# KiCad board lpddr5-sodimm.kicad_pcb
title: LPDDR5 SO-DIMM; date: 2023-12-19; rev: 1.0.0
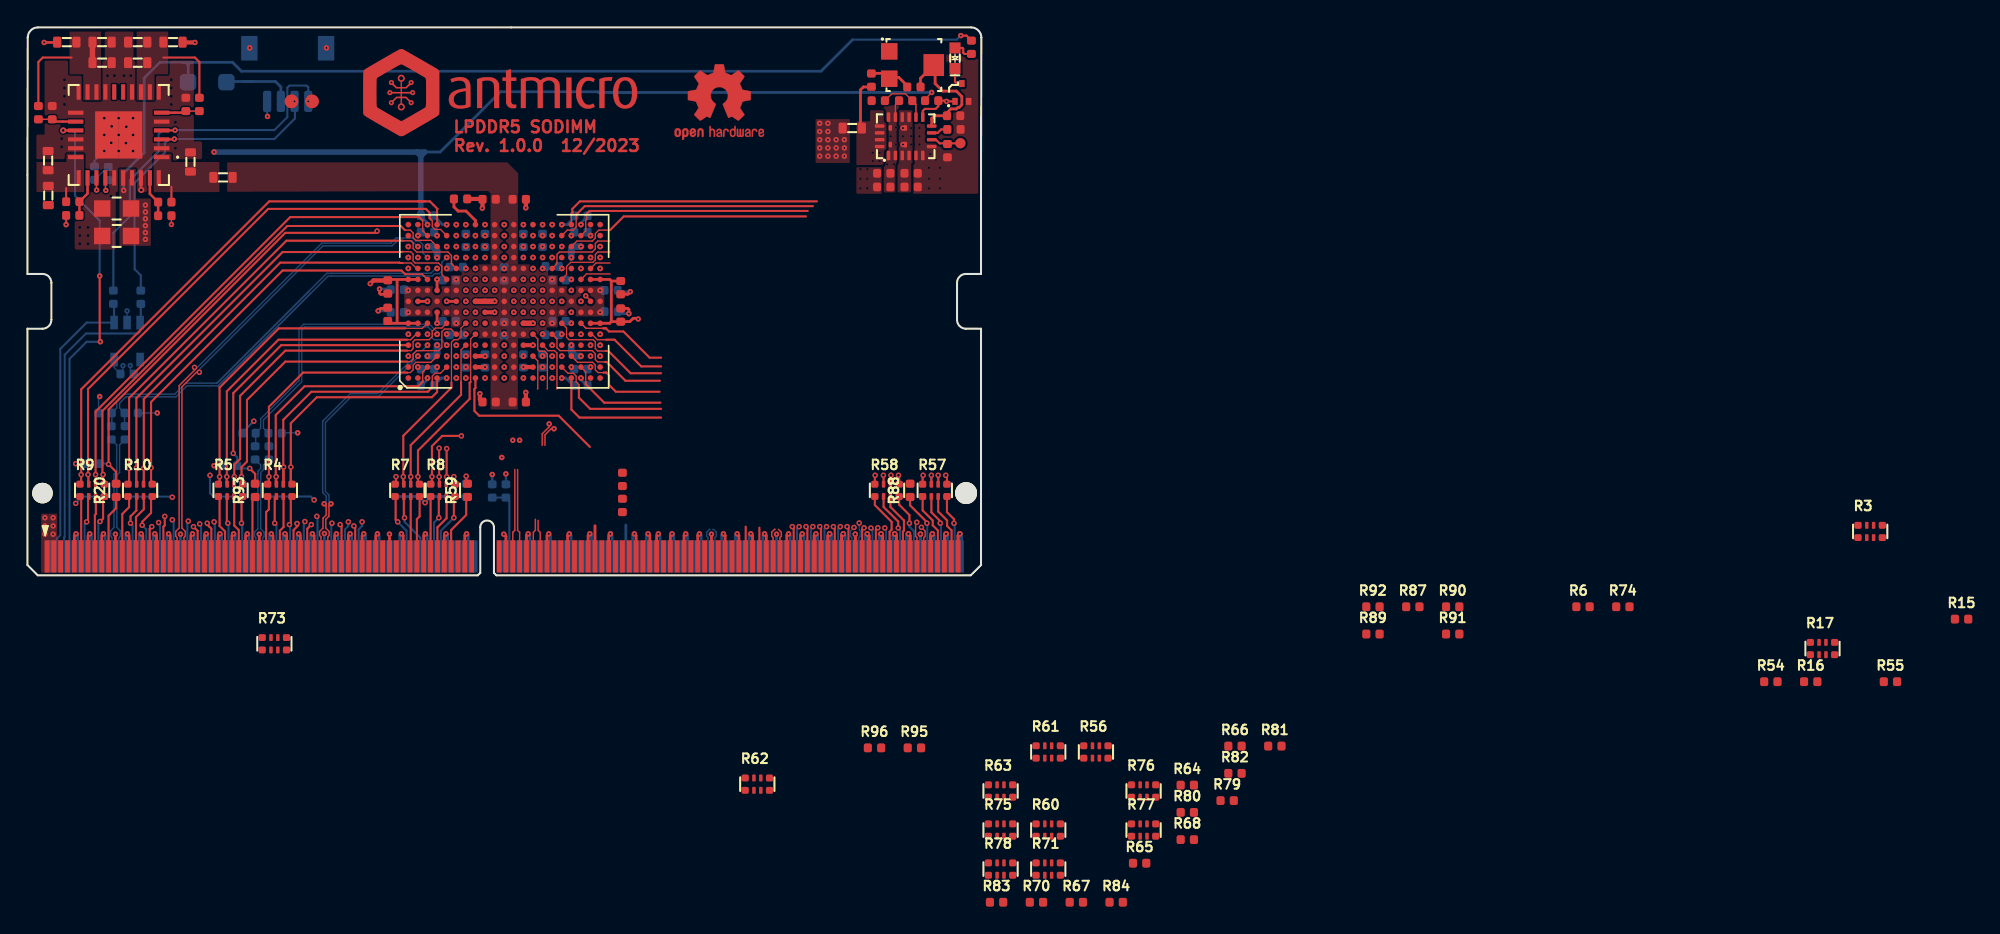
[diagram p0: board, top side]
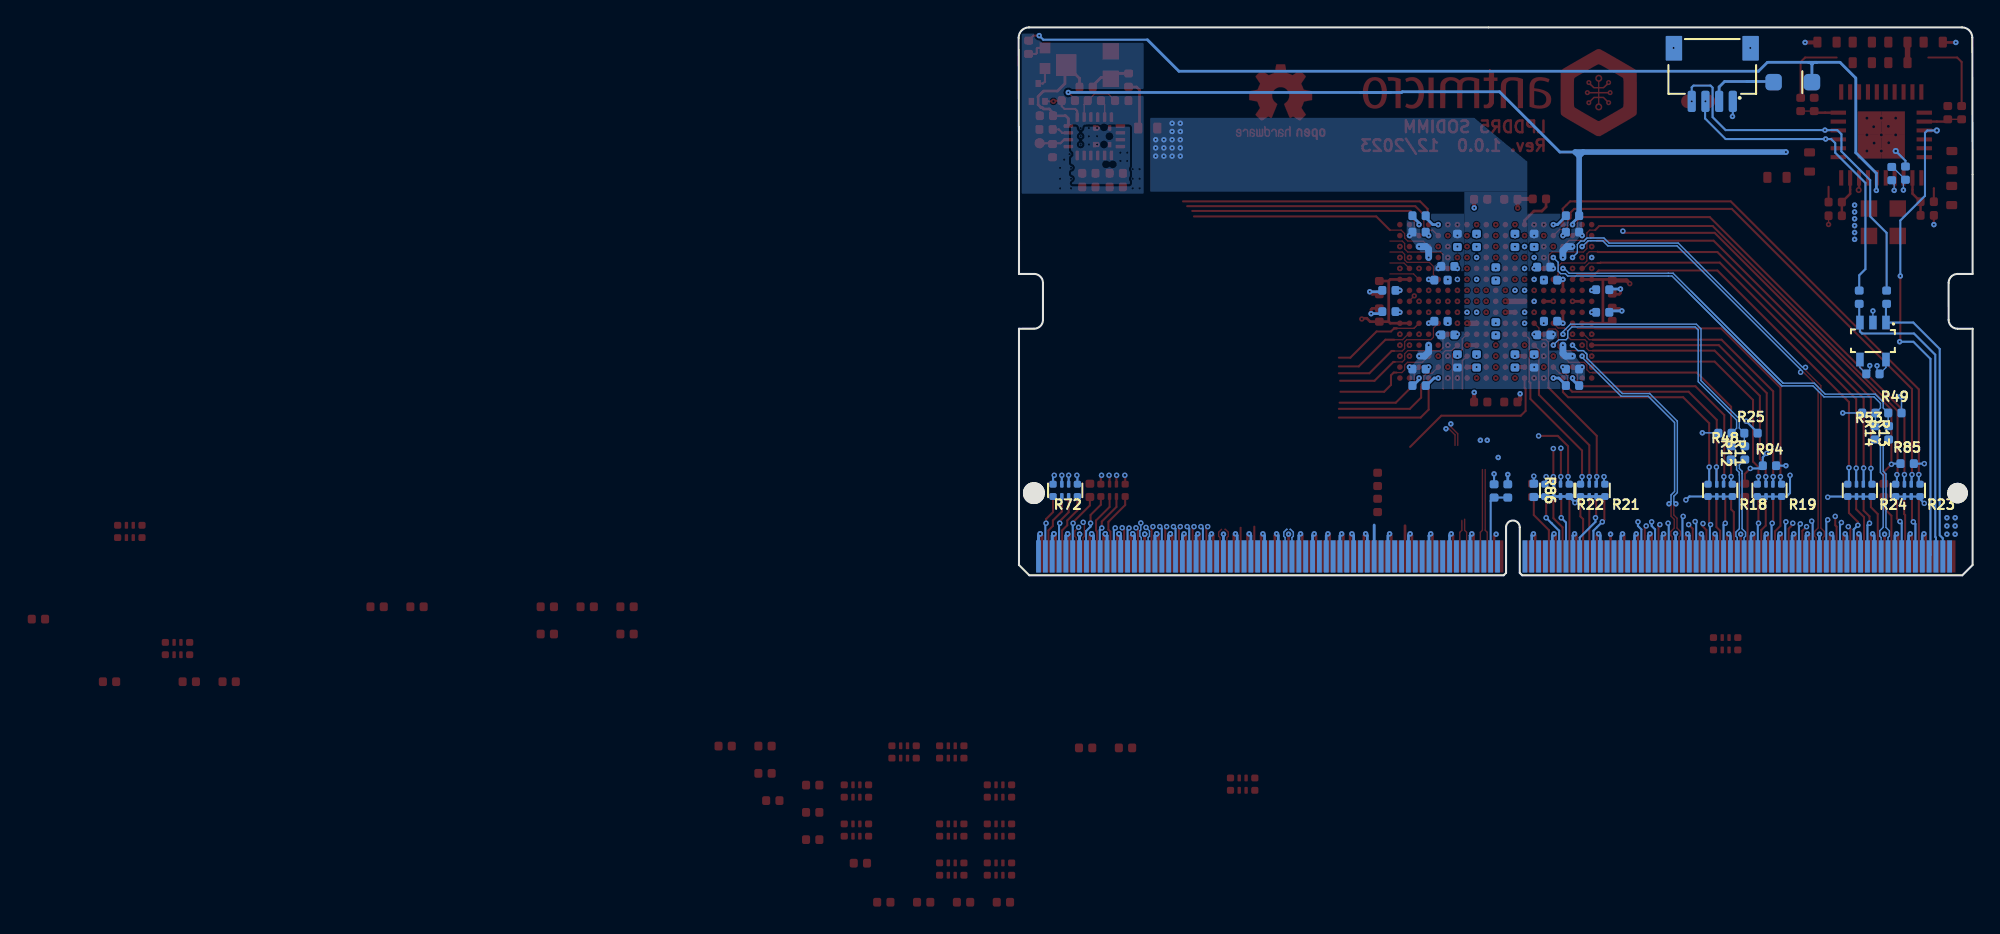
[diagram p1: board, bottom side, seen from below]

Outline 69.62 x 40 mm; copper layers: Top, In1.Cu (plane), In2.Cu (plane), In3.Cu, In4.Cu, Bottom. Coordinates in mm from the lower left corner of the outline.
Outline path: 0,29.25 0.02,39.25 arc(0.24,39.78) 0.77,40 68.88,40 arc(69.4,39.78) 69.62,39.25 69.6,29.25
Stack: Top 0.035mm / dielectric 0.1mm FR4 er 4.5 / In1.Cu 0.018mm / dielectric 0.42mm PR2116 er 4.5 / In2.Cu 0.018mm / dielectric 0.1mm FR4 er 4.5 / In3.Cu 0.018mm / dielectric 0.42mm PR2116 er 4.5 / In4.Cu 0.018mm / dielectric 0.1mm FR4 er 4.5 / Bottom 0.035mm

## Placement (name value [footprint] x y rotation side)
C7  C_4u7_0402  [C_0402_1005Metric]  7.28 14.7 0 bottom
C8  C_4u7_0402  [C_0402_1005Metric]  62.5 29.35 0 top
C9  C_4u7_0402  [C_0402_1005Metric]  62.5 28.35 0 top
C10  C_22u_25V_0805  [C_0805_2012Metric]  6.51 26.78 0 top
C11  C_22u_25V_0805  [C_0805_2012Metric]  6.51 24.78 0 top
C12  C_1u_0402  [C_0402_1005Metric]  4.9 29.36 270 bottom
C13  C_10n_0402  [C_0402_1005Metric]  67.62 32.55 180 top
C14  C_22u_0603  [C_0603_1608Metric]  5.45 38.92 180 top
C15  C_22u_0603  [C_0603_1608Metric]  8.05 38.92 0 top
C16  C_22u_0603  [C_0603_1608Metric]  5.45 37.42 180 top
C17  C_22u_0603  [C_0603_1608Metric]  8.05 37.42 0 top
C18  C_22u_0603  [C_0603_1608Metric]  11.9 30.17 270 top
C19  C_22u_0603  [C_0603_1608Metric]  1.51 30.28 270 top
C20  C_4u7_0402  [C_0402_1005Metric]  64.5 29.35 180 top
C21  C_4u7_0402  [C_0402_1005Metric]  64.5 28.35 180 top
C35  C_4u7_0402  [C_0402_1005Metric]  29.2 13.85 180 bottom
C36  C_4u7_0402  [C_0402_1005Metric]  38.3 22.55 0 bottom
C37  C_4u7_0402  [C_0402_1005Metric]  37.6 15.65 270 bottom
C38  C_4u7_0402  [C_0402_1005Metric]  29.2 26.25 180 bottom
C39  C_4u7_0402  [C_0402_1005Metric]  29.2 15.05 180 bottom
C40  C_4u7_0402  [C_0402_1005Metric]  29.2 25.05 180 bottom
C41  C_4u7_0402  [C_0402_1005Metric]  40.4 26.25 0 bottom
C42  C_4u7_0402  [C_0402_1005Metric]  31.3 22.5 180 bottom
C43  C_4u7_0402  [C_0402_1005Metric]  40.4 15.05 0 bottom
C44  C_4u7_0402  [C_0402_1005Metric]  40.4 13.85 0 bottom
C45  C_4u7_0402  [C_0402_1005Metric]  37.6 24.45 90 bottom
C46  C_4u7_0402  [C_0402_1005Metric]  31.3 17.55 180 bottom
C47  C_4u7_0402  [C_0402_1005Metric]  32 24.45 90 bottom
C48  C_4u7_0402  [C_0402_1005Metric]  38.3 17.55 0 bottom
C49  C_4u7_0402  [C_0402_1005Metric]  40.4 25.05 0 bottom
C50  C_4u7_0402  [C_0402_1005Metric]  32 15.65 270 bottom
C51  C_4u7_0402  [C_0402_1005Metric]  33.4 15.65 270 bottom
C52  C_4u7_0402  [C_0402_1005Metric]  36.2 15.65 270 bottom
C53  C_4u7_0402  [C_0402_1005Metric]  27 20.85 0 bottom
C54  C_4u7_0402  [C_0402_1005Metric]  30.8 21.55 0 bottom
C55  C_4u7_0402  [C_0402_1005Metric]  33.4 24.45 90 bottom
C56  C_4u7_0402  [C_0402_1005Metric]  43.3 19 270 top
C57  C_4u7_0402  [C_0402_1005Metric]  30.8 18.55 0 bottom
C58  C_4u7_0402  [C_0402_1005Metric]  33.7 12.65 0 top
C59  C_4u7_0402  [C_0402_1005Metric]  26.3 19.05 270 top
C60  C_4u7_0402  [C_0402_1005Metric]  43.3 21 90 top
C61  C_4u7_0402  [C_0402_1005Metric]  42.6 19.25 180 bottom
C62  C_4u7_0402  [C_0402_1005Metric]  33.7 27.45 0 top
C63  C_4u7_0402  [C_0402_1005Metric]  26.3 21.05 90 top
C64  C_4u7_0402  [C_0402_1005Metric]  36.2 24.45 90 bottom
C65  C_4u7_0402  [C_0402_1005Metric]  35.9 27.45 180 top
C66  C_4u7_0402  [C_0402_1005Metric]  38.8 21.55 180 bottom
C67  C_4u7_0402  [C_0402_1005Metric]  35.9 12.65 180 top
C68  C_4u7_0402  [C_0402_1005Metric]  34.8 22 270 bottom
C69  C_4u7_0402  [C_0402_1005Metric]  38.8 18.55 180 bottom
C70  C_4u7_0402  [C_0402_1005Metric]  34.8 18 90 bottom
C76  C_4u7_0402  [C_0402_1005Metric]  27 19.2 0 bottom
C77  C_4u7_0402  [C_0402_1005Metric]  42.6 20.8 180 bottom
D1  PTVS48VS1UR  [D_SOD-123F]  13.12 36 0 bottom
D2  LED_G_0603_KP-1608CGCK  [LED_0603_1608Metric_G]  67.7 37.75 270 top
J1  Edge_Conn_Bus_DDR5_SODIMM_1xDetectPin  [Edge_Conn_Bus_DDR5_SODIMM]  0 0 0 top
J3  JST_SH_1x4_SM04B-SRSS-TB-LF-SN  [Conn_JST_SH_1x4_SM04B-SRSS-TB-LF-SN]  19 37.05 0 bottom
POT1  TC33X-2-203E  [Trimpot_3.8mmx3.6mm_TC33X-2-103E]  64.6 37.25 270 top
Q2  DMG1012T-7  [SOT-523]  68.2 35.25 0 top
R1  R_100R_0402  [R_0402_1005Metric]  43.43 5.1 90 top
R2  R_100R_0402  [R_0402_1005Metric]  43.43 7 270 top
R3  R_4x100R_0402_array  [R_Array_4x0402_Panasonic_EXB28V]  134.5 3.2 0 top
R4  R_4x100R_0402_array  [R_Array_4x0402_Panasonic_EXB28V]  18.43 6.2 0 top
R5  R_4x100R_0402_array  [R_Array_4x0402_Panasonic_EXB28V]  14.83 6.2 0 top
R6  R_100R_0402  [R_0402_1005Metric]  113.53 -2.3 0 top
R7  R_4x100R_0402_array  [R_Array_4x0402_Panasonic_EXB28V]  27.73 6.2 0 top
R8  R_4x100R_0402_array  [R_Array_4x0402_Panasonic_EXB28V]  30.33 6.2 0 top
R9  R_4x100R_0402_array  [R_Array_4x0402_Panasonic_EXB28V]  4.73 6.2 0 top
R10  R_4x100R_0402_array  [R_Array_4x0402_Panasonic_EXB28V]  8.23 6.2 0 top
R11  R_100R_0402  [R_0402_1005Metric]  16.62 8.94 90 bottom
R12  R_100R_0402  [R_0402_1005Metric]  17.62 8.94 90 bottom
R13  R_100R_0402  [R_0402_1005Metric]  6.12 10.4 90 bottom
R14  R_100R_0402  [R_0402_1005Metric]  7.12 10.4 90 bottom
R15  R_100R_0402  [R_0402_1005Metric]  141.16 -3.2 0 top
R16  R_100R_0402  [R_0402_1005Metric]  130.16 -7.77 0 top
R17  R_4x100R_0402_array  [R_Array_4x0402_Panasonic_EXB28V]  131.02 -5.35 0 top
R18  R_4x100R_0402_array  [R_Array_4x0402_Panasonic_EXB28V]  18.43 6.2 0 bottom
R19  R_4x100R_0402_array  [R_Array_4x0402_Panasonic_EXB28V]  14.83 6.2 0 bottom
R20  R_100R_0402  [R_0402_1005Metric]  6.48 6.2 90 top
R21  R_4x100R_0402_array  [R_Array_4x0402_Panasonic_EXB28V]  27.73 6.2 0 bottom
R22  R_4x100R_0402_array  [R_Array_4x0402_Panasonic_EXB28V]  30.33 6.2 0 bottom
R23  R_4x100R_0402_array  [R_Array_4x0402_Panasonic_EXB28V]  4.73 6.2 0 bottom
R24  R_4x100R_0402_array  [R_Array_4x0402_Panasonic_EXB28V]  8.23 6.2 0 bottom
R25  R_100R_0402  [R_0402_1005Metric]  16.18 10.38 180 bottom
R26  R_0R_0402  [R_0402_1005Metric]  6.28 20.3 90 bottom
R27  R_0R_0402  [R_0402_1005Metric]  8.28 20.3 90 bottom
R28  R_200k_0402  [R_0402_1005Metric]  34.93 6.16 270 bottom
R29  R_0R_0402  [R_0402_1005Metric]  62.1 34.65 0 top
R30  R_100k_0402  [R_0402_1005Metric]  5.9 29.33 270 bottom
R31  R_25k5_0402  [R_0402_1005Metric]  64.1 34.65 180 top
R32  R_25k5_0402  [R_0402_1005Metric]  67.15 31 90 top
R33  R_100k_0402  [R_0402_1005Metric]  0.8 33.78 90 top
R34  R_49k9_0402  [R_0402_1005Metric]  1.81 33.78 90 top
R35  R_100k_0402  [R_0402_1005Metric]  12.55 34.38 90 top
R36  R_200k_0402  [R_0402_1005Metric]  11.56 34.38 90 top
R37  R_100k_0402  [R_0402_1005Metric]  10.03 27.25 0 top
R38  R_130k_0402  [R_0402_1005Metric]  10.03 26.25 0 top
R39  R_100k_0402  [R_0402_1005Metric]  3.31 27.28 180 top
R40  R_120k_0402  [R_0402_1005Metric]  3.31 26.28 180 top
R41  R_25k5_0402  [R_0402_1005Metric]  66 34.65 180 top
R42  R_1k_0402  [R_0402_1005Metric]  68.9 38.55 270 top
R43  R_0R_22.4A_0603  [R_0603_1608Metric]  2.88 38.92 0 top
R44  R_0R_22.4A_0603  [R_0603_1608Metric]  10.62 38.92 180 top
R45  R_0R_22.4A_0603  [R_0603_1608Metric]  14.28 29.05 180 top
R46  R_0R_22.4A_0603  [R_0603_1608Metric]  1.53 27.72 90 top
R47  R_0R_0402  [R_0402_1005Metric]  64.7 35.65 180 top
R48  R_100R_0402  [R_0402_1005Metric]  18.08 10.38 0 bottom
R49  R_100R_0402  [R_0402_1005Metric]  5.68 11.85 180 bottom
R50  R_3k9_0402  [R_0402_1005Metric]  67.6 33.55 180 top
R51  R_3k9_0402  [R_0402_1005Metric]  61.6 36.15 270 top
R52  R_0R_22.4A_0603  [R_0603_1608Metric]  60.2 32.65 0 top
R53  R_100R_0402  [R_0402_1005Metric]  7.58 11.85 0 bottom
R54  R_100R_0402  [R_0402_1005Metric]  127.25 -7.77 0 top
R55  R_100R_0402  [R_0402_1005Metric]  135.97 -7.77 0 top
R56  R_4x100R_0402_array  [R_Array_4x0402_Panasonic_EXB28V]  77.99 -12.9 0 top
R57  R_4x100R_0402_array  [R_Array_4x0402_Panasonic_EXB28V]  66.22 6.2 0 top
R58  R_4x100R_0402_array  [R_Array_4x0402_Panasonic_EXB28V]  62.74 6.2 0 top
R59  R_100R_0402  [R_0402_1005Metric]  32.12 6.2 90 top
R60  R_4x100R_0402_array  [R_Array_4x0402_Panasonic_EXB28V]  74.5 -18.6 0 top
R61  R_4x100R_0402_array  [R_Array_4x0402_Panasonic_EXB28V]  74.5 -12.9 0 top
R62  R_4x100R_0402_array  [R_Array_4x0402_Panasonic_EXB28V]  53.28 -15.25 0 top
R63  R_4x100R_0402_array  [R_Array_4x0402_Panasonic_EXB28V]  71.03 -15.75 0 top
R64  R_100R_0402  [R_0402_1005Metric]  84.66 -15.32 0 top
R65  R_100R_0402  [R_0402_1005Metric]  81.18 -21.02 0 top
R66  R_100R_0402  [R_0402_1005Metric]  88.14 -12.47 0 top
R67  R_100R_0402  [R_0402_1005Metric]  76.56 -23.87 0 top
R68  R_100R_0402  [R_0402_1005Metric]  84.66 -19.3 0 top
R69  R_240R_0402  [R_0402_1005Metric]  31.62 27.47 180 top
R70  R_100R_0402  [R_0402_1005Metric]  73.65 -23.87 0 top
R71  R_4x100R_0402_array  [R_Array_4x0402_Panasonic_EXB28V]  74.5 -21.45 0 top
R72  R_4x100R_0402_array  [R_Array_4x0402_Panasonic_EXB28V]  66.22 6.2 0 bottom
R73  R_4x100R_0402_array  [R_Array_4x0402_Panasonic_EXB28V]  18.03 -5 0 top
R74  R_100R_0402  [R_0402_1005Metric]  116.44 -2.3 0 top
R75  R_4x100R_0402_array  [R_Array_4x0402_Panasonic_EXB28V]  71.03 -18.6 0 top
R76  R_4x100R_0402_array  [R_Array_4x0402_Panasonic_EXB28V]  81.47 -15.75 0 top
R77  R_4x100R_0402_array  [R_Array_4x0402_Panasonic_EXB28V]  81.47 -18.6 0 top
R78  R_4x100R_0402_array  [R_Array_4x0402_Panasonic_EXB28V]  71.03 -21.45 0 top
R79  R_100R_0402  [R_0402_1005Metric]  87.56 -16.45 0 top
R80  R_100R_0402  [R_0402_1005Metric]  84.66 -17.31 0 top
R81  R_100R_0402  [R_0402_1005Metric]  91.05 -12.47 0 top
R82  R_100R_0402  [R_0402_1005Metric]  88.14 -14.46 0 top
R83  R_100R_0402  [R_0402_1005Metric]  70.74 -23.87 0 top
R84  R_100R_0402  [R_0402_1005Metric]  79.47 -23.87 0 top
R85  R_100R_0402  [R_0402_1005Metric]  4.78 8.15 180 bottom
R86  R_100R_0402  [R_0402_1005Metric]  32.03 6.2 270 bottom
R87  R_100R_0402  [R_0402_1005Metric]  101.12 -2.3 0 top
R88  R_100R_0402  [R_0402_1005Metric]  64.43 6.2 90 top
R89  R_100R_0402  [R_0402_1005Metric]  98.21 -4.29 0 top
R90  R_100R_0402  [R_0402_1005Metric]  104.03 -2.3 0 top
R91  R_100R_0402  [R_0402_1005Metric]  104.03 -4.29 0 top
R92  R_100R_0402  [R_0402_1005Metric]  98.21 -2.3 0 top
R93  R_100R_0402  [R_0402_1005Metric]  16.62 6.2 90 top
R94  R_100R_0402  [R_0402_1005Metric]  14.83 8 180 bottom
R95  R_100R_0402  [R_0402_1005Metric]  64.74 -12.6 0 top
R96  R_100R_0402  [R_0402_1005Metric]  61.83 -12.6 0 top
R99  R_100k_0402  [R_0402_1005Metric]  33.93 6.16 90 bottom
REF**  -  [antmicro-logo_scaled_20mm]  34.5 35.05 0 top
REF**#2  antmicro-logo_scaled_20mm  [antmicro-logo_scaled_20mm_mask]  34.5 35.05 0 top
REF**#3  -  [OSHW-Logo2_7.3x6mm_Copper_Mask]  50.5 34.55 0 top
TP1  TP_0.75mm_SMD  [TP_SMD_0.75mm]  68.09 31.54 90 top
TP2  TP_1mm_SMD  [TP_SMD_1mm]  19.28 34.6 90 top
TP3  TP_1mm_SMD  [TP_SMD_1mm]  20.78 34.6 90 top
U1  MT62F1G32D4DR-031  [BGA-315_12.4x15mm_Layout15x21_P0.8x0.7mm]  34.8 20 90 top
U7  AT24CS01_SOT23  [SOT-23-5]  7.28 17.1 270 bottom
U8  MPM54304GMN-0001  [MPS_LGA-33]  6.66 32.15 180 top
U9  LT3033EUDC_QFN  [QFN-20-4EP_3x4x0.75mm_P0.5mm_Layout4x6_LT3033]  64.1 32.05 90 top

## Library data of the parts
C7 C9 C42 C64 C67 C70 = -: Author: Antmicro; License: Apache-2.0; MPN: GRM155R61A475MEAAD; Manufacturer: Murata; Val: 4u7; Field11: License: Apache-2.0; Field13: Author: Antmicro
C8 C20 C43 C45 C47-C49 C57 C59 C60 C65 = -: Author: Antmicro; License: Apache-2.0; MPN: GRM155R61A475MEAAD; Manufacturer: Murata; Val: 4u7; Field11: Author: Antmicro; Field13: License: Apache-2.0
C10 = -: Author: Antmicro; License: Apache-2.0; MPN: CL21A226MAYNNNE; Manufacturer: Samsung Electro-Mechanics; Val: 22u_25V; Field11: License: Apache-2.0; Field13: Author: Antmicro
C11 = -: Author: Antmicro; License: Apache-2.0; MPN: CL21A226MAYNNNE; Manufacturer: Samsung Electro-Mechanics; Val: 22u_25V; Field11: Author: Antmicro; Field12: License: Apache-2.0
C12 = -: Author: Antmicro; License: Apache-2.0; MPN: C1005X6S1A105K050BC; Manufacturer: TDK; Val: 1u; Field11: Author: Antmicro; Field13: License: Apache-2.0
C13 = -: Author: Antmicro; Dielectric: X7R; License: Apache-2.0; MPN: GRM155R71H103KA88D; Manufacturer: Murata; Val: 10n; Voltage: 50V; Field12: License: Apache-2.0; Field13: Author: Antmicro
C14 C19 = -: Author: Antmicro; License: Apache-2.0; MPN: GRM188R60J226MEA0D; Manufacturer: Murata; Val: 22u; Field12: Author: Antmicro; Field13: License: Apache-2.0
C15 C17 = -: Author: Antmicro; License: Apache-2.0; MPN: GRM188R60J226MEA0D; Manufacturer: Murata; Val: 22u; Field11: Author: Antmicro; Field12: License: Apache-2.0
C16 = -: Author: Antmicro; License: Apache-2.0; MPN: GRM188R60J226MEA0D; Manufacturer: Murata; Val: 22u; Field11: License: Apache-2.0; Field12: Author: Antmicro
C18 = -: Author: Antmicro; License: Apache-2.0; MPN: GRM188R60J226MEA0D; Manufacturer: Murata; Val: 22u; Field11: Author: Antmicro; Field13: License: Apache-2.0
C21 C35 C38 C40 C62 = -: Author: Antmicro; License: Apache-2.0; MPN: GRM155R61A475MEAAD; Manufacturer: Murata; Val: 4u7; Field11: Author: Antmicro; Field12: License: Apache-2.0
C36 C37 C51-C54 C58 C68 C69 = -: Author: Antmicro; License: Apache-2.0; MPN: GRM155R61A475MEAAD; Manufacturer: Murata; Val: 4u7; Field11: License: Apache-2.0; Field12: Author: Antmicro
C39 C41 C44 C50 C55 C66 = -: Author: Antmicro; License: Apache-2.0; MPN: GRM155R61A475MEAAD; Manufacturer: Murata; Val: 4u7; Field12: License: Apache-2.0; Field13: Author: Antmicro
C46 C56 C61 C63 C76 C77 = -: Author: Antmicro; License: Apache-2.0; MPN: GRM155R61A475MEAAD; Manufacturer: Murata; Val: 4u7; Field12: Author: Antmicro; Field13: License: Apache-2.0
D1 = -: Author: Antmicro; License: Apache-2.0; MPN: PTVS48VS1UR,115; Manufacturer: Nexperia; Field9: License: Apache-2.0; Field10: Author: Antmicro
D2 = -: Author: Antmicro; License: Apache-2.0; MPN: KP-1608CGCK; Manufacturer: Kingbright; Field8: License: Apache-2.0; Field10: Author: Antmicro
J1 TP2 = -: Author: Antmicro; License: Apache-2.0; Field8: License: Apache-2.0; Field9: Author: Antmicro
J3 = -: Author: Antmicro; License: Apache-2.0; MPN: SM04B-SRSS-TB(LF)(SN); Manufacturer: JST Automotive Connectors; Field8: Author: Antmicro; Field10: License: Apache-2.0
POT1 = -: Author: Antmicro; License: Apache-2.0; Manufacturer: Bourns; Field8: Author: Antmicro; Field9: License: Apache-2.0
Q2 = -: Author: Antmicro; License: Apache-2.0; Manufacturer: Diodes Incorporated; Field8: License: Apache-2.0; Field10: Author: Antmicro
R1 R12 R49 R53 R74 R82 R91 = -: Author: Antmicro; License: Apache-2.0; MPN: CR0402-FX-1000GLF; Manufacturer: Bourns; Tolerance: 1%; Val: 100R; Field10: License: Apache-2.0; Field11: Author: Antmicro
R2 R25 R54 R64 R80 R85 R86 R94 = -: Author: Antmicro; License: Apache-2.0; MPN: CR0402-FX-1000GLF; Manufacturer: Bourns; Tolerance: 1%; Val: 100R; Field11: Author: Antmicro; Field12: License: Apache-2.0
R3 R7 R19 R61 R73 = -: Author: Antmicro; License: Apache-2.0; MPN: EXB-28V101JX; Manufacturer: Panasonic; Val: R_4x100R_0402; Field9: Author: Antmicro; Field10: License: Apache-2.0
R4 R60 R63 R72 R77 = -: Author: Antmicro; License: Apache-2.0; MPN: EXB-28V101JX; Manufacturer: Panasonic; Val: R_4x100R_0402; Field9: License: Apache-2.0; Field11: Author: Antmicro
R5 R8 R10 R22 R56 R71 R75 = -: Author: Antmicro; License: Apache-2.0; MPN: EXB-28V101JX; Manufacturer: Panasonic; Val: R_4x100R_0402; Field9: Author: Antmicro; Field11: License: Apache-2.0
R6 R48 R67 R70 R79 R92 R96 = -: Author: Antmicro; License: Apache-2.0; MPN: CR0402-FX-1000GLF; Manufacturer: Bourns; Tolerance: 1%; Val: 100R; Field11: License: Apache-2.0; Field12: Author: Antmicro
R9 R24 R62 R78 = -: Author: Antmicro; License: Apache-2.0; MPN: EXB-28V101JX; Manufacturer: Panasonic; Val: R_4x100R_0402; Field10: License: Apache-2.0; Field11: Author: Antmicro
R11 R15 = -: Author: Antmicro; License: Apache-2.0; MPN: CR0402-FX-1000GLF; Manufacturer: Bourns; Tolerance: 1%; Val: 100R; Field10: Author: Antmicro; Field12: License: Apache-2.0
R13 R14 R16 R55 R59 R65 R84 R87-R89 = -: Author: Antmicro; License: Apache-2.0; MPN: CR0402-FX-1000GLF; Manufacturer: Bourns; Tolerance: 1%; Val: 100R; Field10: License: Apache-2.0; Field12: Author: Antmicro
R17 R18 R23 R57 = -: Author: Antmicro; License: Apache-2.0; MPN: EXB-28V101JX; Manufacturer: Panasonic; Val: R_4x100R_0402; Field10: Author: Antmicro; Field11: License: Apache-2.0
R20 R66 R68 R81 R83 R90 R93 R95 = -: Author: Antmicro; License: Apache-2.0; MPN: CR0402-FX-1000GLF; Manufacturer: Bourns; Tolerance: 1%; Val: 100R; Field10: Author: Antmicro; Field11: License: Apache-2.0
R21 R58 R76 = -: Author: Antmicro; License: Apache-2.0; MPN: EXB-28V101JX; Manufacturer: Panasonic; Val: R_4x100R_0402; Field9: License: Apache-2.0; Field10: Author: Antmicro
R26 = -: Author: Antmicro; Current: 1A; License: Apache-2.0; MPN: ERJ2GE0R00X; Manufacturer: Panasonic; Val: 0R; Field12: License: Apache-2.0; Field13: Author: Antmicro
R27 = -: Author: Antmicro; Current: 1A; License: Apache-2.0; MPN: ERJ2GE0R00X; Manufacturer: Panasonic; Val: 0R; Field11: Author: Antmicro; Field13: License: Apache-2.0
R28 = -: Author: Antmicro; License: Apache-2.0; MPN: CR0402-FX-2003GLF; Manufacturer: Bourns; Tolerance: 1%; Val: 200k; Field11: Author: Antmicro; Field12: License: Apache-2.0
R29 = -: Author: Antmicro; Current: 1A; License: Apache-2.0; MPN: ERJ2GE0R00X; Manufacturer: Panasonic; Val: 0R; Field11: Author: Antmicro; Field12: License: Apache-2.0
R30 R99 = -: Author: Antmicro; License: Apache-2.0; MPN: CR0402-FX-1003GLF; Manufacturer: Bourns; Tolerance: 1%; Val: 100k; Field11: Author: Antmicro; Field12: License: Apache-2.0
R31 = -: Author: Antmicro; License: Apache-2.0; MPN: CR0402-FX-2552GLF; Manufacturer: Bourns; Tolerance: 1%; Val: 25k5; Field11: License: Apache-2.0; Field12: Author: Antmicro
R32 = -: Author: Antmicro; License: Apache-2.0; MPN: CR0402-FX-2552GLF; Manufacturer: Bourns; Tolerance: 1%; Val: 25k5; Field11: Author: Antmicro; Field12: License: Apache-2.0
R33 = -: Author: Antmicro; License: Apache-2.0; MPN: CR0402-FX-1003GLF; Manufacturer: Bourns; Tolerance: 1%; Val: 100k; Field11: License: Apache-2.0; Field12: Author: Antmicro
R34 = -: Author: Antmicro; License: Apache-2.0; MPN: CR0402-FX-4992GLF; Manufacturer: Bourns; Tolerance: 1%; Val: 49k9; Field10: License: Apache-2.0; Field11: Author: Antmicro
R35 = -: Author: Antmicro; License: Apache-2.0; MPN: CR0402-FX-1003GLF; Manufacturer: Bourns; Tolerance: 1%; Val: 100k; Field10: Author: Antmicro; Field12: License: Apache-2.0
R36 = -: Author: Antmicro; License: Apache-2.0; MPN: CR0402-FX-2003GLF; Manufacturer: Bourns; Tolerance: 1%; Val: 200k; Field10: License: Apache-2.0; Field11: Author: Antmicro
R37 = -: Author: Antmicro; License: Apache-2.0; MPN: CR0402-FX-1003GLF; Manufacturer: Bourns; Tolerance: 1%; Val: 100k; Field10: Author: Antmicro; Field11: License: Apache-2.0
R38 = -: Author: Antmicro; License: Apache-2.0; MPN: CR0402-FX-1303GLF; Manufacturer: Bourns; Tolerance: 1%; Val: 130k; Field10: License: Apache-2.0; Field11: Author: Antmicro
R39 = -: Author: Antmicro; License: Apache-2.0; MPN: CR0402-FX-1003GLF; Manufacturer: Bourns; Tolerance: 1%; Val: 100k; Field10: License: Apache-2.0; Field11: Author: Antmicro
R40 = -: Author: Antmicro; License: Apache-2.0; MPN: CR0402-FX-1203GLF; Manufacturer: Bourns; Tolerance: 1%; Val: 120k; Field11: License: Apache-2.0; Field12: Author: Antmicro
R41 = -: Author: Antmicro; License: Apache-2.0; MPN: CR0402-FX-2552GLF; Manufacturer: Bourns; Tolerance: 1%; Val: 25k5; Field10: Author: Antmicro; Field12: License: Apache-2.0
R42 = -: Author: Antmicro; License: Apache-2.0; MPN: CR0402-FX-1001GLF; Manufacturer: Bourns; Tolerance: 1%; Val: 1k; Field11: License: Apache-2.0; Field12: Author: Antmicro
R43 = -: Author: Antmicro; License: Apache-2.0; MPN: PMR03EZPJ000; Manufacturer: ROHM Semiconductor; Max. Curr.: 22.4A; Tolerance: template_tolerance; Val: 0R; Field11: Author: Antmicro; Field12: License: Apache-2.0
R44 = -: Author: Antmicro; License: Apache-2.0; MPN: PMR03EZPJ000; Manufacturer: ROHM Semiconductor; Max. Curr.: 22.4A; Tolerance: template_tolerance; Val: 0R; Field11: Author: Antmicro; Field13: License: Apache-2.0
R45 R52 = -: Author: Antmicro; License: Apache-2.0; MPN: PMR03EZPJ000; Manufacturer: ROHM Semiconductor; Max. Curr.: 22.4A; Tolerance: template_tolerance; Val: 0R; Field11: License: Apache-2.0; Field13: Author: Antmicro
R46 = -: Author: Antmicro; License: Apache-2.0; MPN: PMR03EZPJ000; Manufacturer: ROHM Semiconductor; Max. Curr.: 22.4A; Tolerance: template_tolerance; Val: 0R; Field12: License: Apache-2.0; Field13: Author: Antmicro
R47 = -: Author: Antmicro; Current: 1A; DNP: DNP; License: Apache-2.0; MPN: ERJ2GE0R00X; Manufacturer: Panasonic; Val: 0R; Field12: Author: Antmicro; Field13: License: Apache-2.0
R50 = -: Author: Antmicro; License: Apache-2.0; MPN: CR0402-FX-3901GLF; Manufacturer: Bourns; Tolerance: 1%; Val: 3k9; Field11: Author: Antmicro; Field12: License: Apache-2.0
R51 = -: Author: Antmicro; License: Apache-2.0; MPN: CR0402-FX-3901GLF; Manufacturer: Bourns; Tolerance: 1%; Val: 3k9; Field10: Author: Antmicro; Field12: License: Apache-2.0
R69 = -: Author: Antmicro; License: Apache-2.0; MPN: CR0402-FX-2400GLF; Manufacturer: Bourns; Tolerance: 1%; Val: 240R; Field10: License: Apache-2.0; Field11: Author: Antmicro
REF** = -: Field4: License: Apache-2.0; Field5: Author: Antmicro
REF**#2 = -: Field4: License: Apache-2.0; Field6: Author: Antmicro
REF**#3 = -: Field4: Author: Antmicro; Field5: License: Apache-2.0
TP1 = -: Author: Antmicro; License: Apache-2.0; Field9: Author: Antmicro; Field10: License: Apache-2.0
TP3 = -: Author: Antmicro; License: Apache-2.0; Field8: Author: Antmicro; Field9: License: Apache-2.0
U1 = -: Author: Antmicro; License: Apache-2.0; MPN: MT62F1G32D4DR-031 WT:B; Manufacturer: Micron Technology; Field8: License: Apache-2.0; Field10: Author: Antmicro
U7 = -: Author: Antmicro; License: Apache-2.0; MPN: AT24CS01-ST; Manufacturer: Atmel; Field8: Author: Antmicro; Field10: License: Apache-2.0
U8 = -: Author: Antmicro; License: Apache-2.0; Manufacturer: Monolithic Power Systems; Field8: License: Apache-2.0; Field10: Author: Antmicro
U9 = -: Author: Antmicro; License: Apache-2.0; MPN: LT3033EUDC#PBF; Manufacturer: Analog Devices; Field8: License: Apache-2.0; Field10: Author: Antmicro

## Footprints (pads in the part's own frame, mm; a bottom-side part is the same pattern mirrored in y, then rotated)
BGA-315_12.4x15mm_Layout15x21_P0.8x0.7mm
  round 0.41 smd: A1(-5.6,7) A2(-4.8,7) A3(-4,7) A4(-3.2,7) A5(-2.4,7) A6(-1.6,7) A7(-0.8,7) A8(0,7) A9(0.8,7) A10(1.6,7) A11(2.4,7) A12(3.2,7) A13(4,7) A14(4.8,7) A15(5.6,7) AA1(-5.6,-7) AA2(-4.8,-7) AA3(-4,-7) AA4(-3.2,-7) AA5(-2.4,-7) AA6(-1.6,-7) AA7(-0.8,-7) AA8(0,-7) AA9(0.8,-7) AA10(1.6,-7) AA11(2.4,-7) AA12(3.2,-7) AA13(4,-7) AA14(4.8,-7) AA15(5.6,-7) B1(-5.6,6.3) B2(-4.8,6.3) B3(-4,6.3) B4(-3.2,6.3) B5(-2.4,6.3) B6(-1.6,6.3) B7(-0.8,6.3) B8(0,6.3) B9(0.8,6.3) B10(1.6,6.3) B11(2.4,6.3) B12(3.2,6.3) B13(4,6.3) B14(4.8,6.3) B15(5.6,6.3) C1(-5.6,5.6) C2(-4.8,5.6) C3(-4,5.6) C4(-3.2,5.6) C5(-2.4,5.6) C6(-1.6,5.6) C7(-0.8,5.6) C8(0,5.6) C9(0.8,5.6) C10(1.6,5.6) C11(2.4,5.6) C12(3.2,5.6) C13(4,5.6) C14(4.8,5.6) C15(5.6,5.6) D1(-5.6,4.9) D2(-4.8,4.9) D3(-4,4.9) D4(-3.2,4.9) D5(-2.4,4.9) D6(-1.6,4.9) D7(-0.8,4.9) D8(0,4.9) D9(0.8,4.9) D10(1.6,4.9) D11(2.4,4.9) D12(3.2,4.9) D13(4,4.9) D14(4.8,4.9) D15(5.6,4.9) E1(-5.6,4.2) E2(-4.8,4.2) E3(-4,4.2) E4(-3.2,4.2) E5(-2.4,4.2) E6(-1.6,4.2) E7(-0.8,4.2) E8(0,4.2) E9(0.8,4.2) E10(1.6,4.2) E11(2.4,4.2) E12(3.2,4.2) E13(4,4.2) E14(4.8,4.2) E15(5.6,4.2) F1(-5.6,3.5) F2(-4.8,3.5) F3(-4,3.5) F4(-3.2,3.5) F5(-2.4,3.5) F6(-1.6,3.5) F7(-0.8,3.5) F8(0,3.5) F9(0.8,3.5) F10(1.6,3.5) F11(2.4,3.5) F12(3.2,3.5) F13(4,3.5) F14(4.8,3.5) F15(5.6,3.5) G1(-5.6,2.8) G2(-4.8,2.8) G3(-4,2.8) G4(-3.2,2.8) G5(-2.4,2.8) G6(-1.6,2.8) G7(-0.8,2.8) G8(0,2.8) G9(0.8,2.8) G10(1.6,2.8) G11(2.4,2.8) G12(3.2,2.8) G13(4,2.8) G14(4.8,2.8) G15(5.6,2.8) H1(-5.6,2.1) H2(-4.8,2.1) H3(-4,2.1) H4(-3.2,2.1) H5(-2.4,2.1) H6(-1.6,2.1) H7(-0.8,2.1) H8(0,2.1) H9(0.8,2.1) H10(1.6,2.1) H11(2.4,2.1) H12(3.2,2.1) H13(4,2.1) H14(4.8,2.1) H15(5.6,2.1) J1(-5.6,1.4) J2(-4.8,1.4) J3(-4,1.4) J4(-3.2,1.4) J5(-2.4,1.4) J6(-1.6,1.4) J7(-0.8,1.4) J8(0,1.4) J9(0.8,1.4) J10(1.6,1.4) J11(2.4,1.4) J12(3.2,1.4) J13(4,1.4) J14(4.8,1.4) J15(5.6,1.4) K1(-5.6,0.7) K2(-4.8,0.7) K3(-4,0.7) K4(-3.2,0.7) K5(-2.4,0.7) K6(-1.6,0.7) K7(-0.8,0.7) K8(0,0.7) K9(0.8,0.7) K10(1.6,0.7) K11(2.4,0.7) K12(3.2,0.7) K13(4,0.7) K14(4.8,0.7) K15(5.6,0.7) L1(-5.6,0) L2(-4.8,0) L3(-4,0) L4(-3.2,0) L5(-2.4,0) L6(-1.6,0) L7(-0.8,0) L8(0,0) L9(0.8,0) L10(1.6,0) L11(2.4,0) L12(3.2,0) L13(4,0) L14(4.8,0) L15(5.6,0) M1(-5.6,-0.7) M2(-4.8,-0.7) M3(-4,-0.7) M4(-3.2,-0.7) M5(-2.4,-0.7) M6(-1.6,-0.7) M7(-0.8,-0.7) M8(0,-0.7) M9(0.8,-0.7) M10(1.6,-0.7) M11(2.4,-0.7) M12(3.2,-0.7) M13(4,-0.7) M14(4.8,-0.7) M15(5.6,-0.7) N1(-5.6,-1.4) N2(-4.8,-1.4) N3(-4,-1.4) N4(-3.2,-1.4) N5(-2.4,-1.4) N6(-1.6,-1.4) N7(-0.8,-1.4) N8(0,-1.4) N9(0.8,-1.4) N10(1.6,-1.4) N11(2.4,-1.4) N12(3.2,-1.4) N13(4,-1.4) N14(4.8,-1.4) N15(5.6,-1.4) P1(-5.6,-2.1) P2(-4.8,-2.1) P3(-4,-2.1) P4(-3.2,-2.1) P5(-2.4,-2.1) P6(-1.6,-2.1) P7(-0.8,-2.1) P8(0,-2.1) P9(0.8,-2.1) P10(1.6,-2.1) P11(2.4,-2.1) P12(3.2,-2.1) P13(4,-2.1) P14(4.8,-2.1) P15(5.6,-2.1) R1(-5.6,-2.8) R2(-4.8,-2.8) R3(-4,-2.8) R4(-3.2,-2.8) R5(-2.4,-2.8) R6(-1.6,-2.8) R7(-0.8,-2.8) R8(0,-2.8) R9(0.8,-2.8) R10(1.6,-2.8) R11(2.4,-2.8) R12(3.2,-2.8) R13(4,-2.8) R14(4.8,-2.8) R15(5.6,-2.8) T1(-5.6,-3.5) T2(-4.8,-3.5) T3(-4,-3.5) T4(-3.2,-3.5) T5(-2.4,-3.5) T6(-1.6,-3.5) T7(-0.8,-3.5) T8(0,-3.5) T9(0.8,-3.5) T10(1.6,-3.5) T11(2.4,-3.5) T12(3.2,-3.5) T13(4,-3.5) T14(4.8,-3.5) T15(5.6,-3.5) U1(-5.6,-4.2) U2(-4.8,-4.2) U3(-4,-4.2) U4(-3.2,-4.2) U5(-2.4,-4.2) U6(-1.6,-4.2) U7(-0.8,-4.2) U8(0,-4.2) U9(0.8,-4.2) U10(1.6,-4.2) U11(2.4,-4.2) U12(3.2,-4.2) U13(4,-4.2) U14(4.8,-4.2) U15(5.6,-4.2) V1(-5.6,-4.9) V2(-4.8,-4.9) V3(-4,-4.9) V4(-3.2,-4.9) V5(-2.4,-4.9) V6(-1.6,-4.9) V7(-0.8,-4.9) V8(0,-4.9) V9(0.8,-4.9) V10(1.6,-4.9) V11(2.4,-4.9) V12(3.2,-4.9) V13(4,-4.9) V14(4.8,-4.9) V15(5.6,-4.9) W1(-5.6,-5.6) W2(-4.8,-5.6) W3(-4,-5.6) W4(-3.2,-5.6) W5(-2.4,-5.6) W6(-1.6,-5.6) W7(-0.8,-5.6) W8(0,-5.6) W9(0.8,-5.6) W10(1.6,-5.6) W11(2.4,-5.6) W12(3.2,-5.6) W13(4,-5.6) W14(4.8,-5.6) W15(5.6,-5.6) Y1(-5.6,-6.3) Y2(-4.8,-6.3) Y3(-4,-6.3) Y4(-3.2,-6.3) Y5(-2.4,-6.3) Y6(-1.6,-6.3) Y7(-0.8,-6.3) Y8(0,-6.3) Y9(0.8,-6.3) Y10(1.6,-6.3) Y11(2.4,-6.3) Y12(3.2,-6.3) Y13(4,-6.3) Y14(4.8,-6.3) Y15(5.6,-6.3)